# Altium PCB TT1-1B-BASIS.PcbDoc (continued)
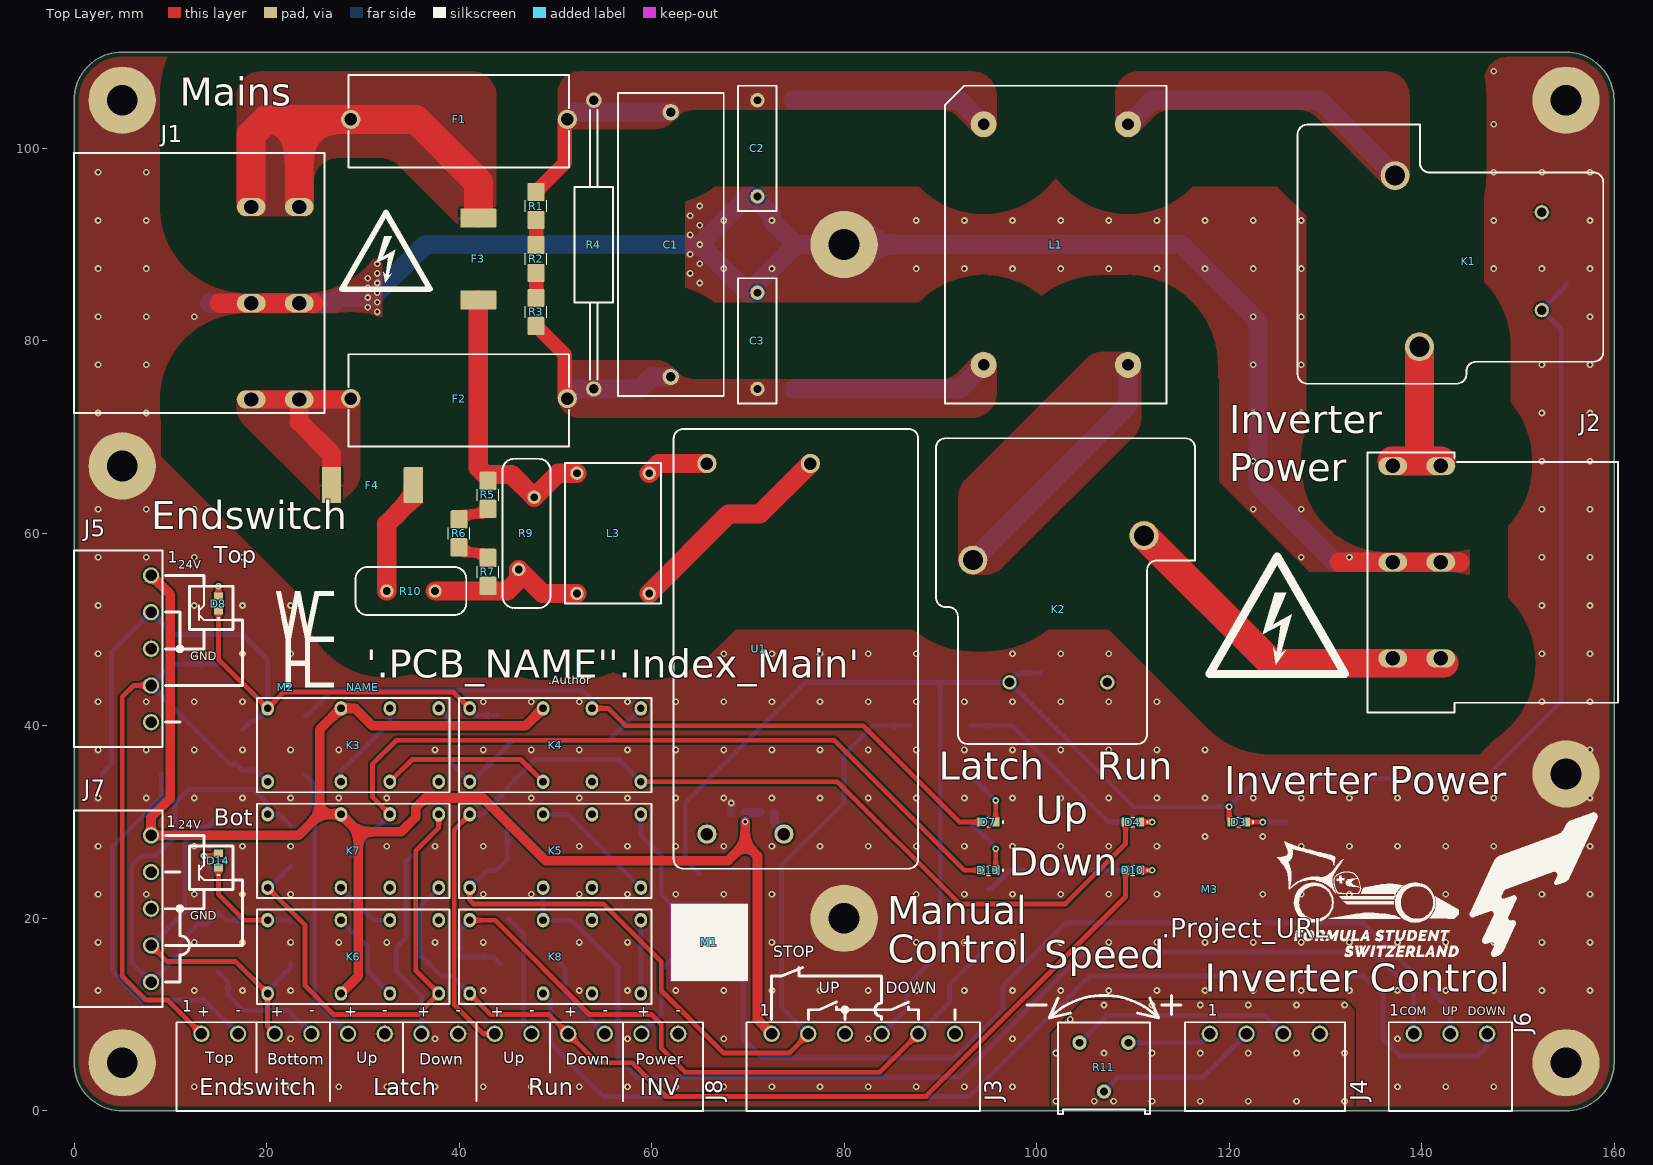
[diagram p0: Top Layer view]
## Part data (continued)
J3: "Phoenix contact MC 1,5/ 6-G-3,81", Manufacturer=Phoenix, Manufacturer Part Number 1=1803316, Supplier Part Number 1=277-1210-ND, HelpURL=https://www.phoenixcontact.com/en-us/products/pcb-header-mc-15-6-g-381-1803316?type=pdf, Manufacturer 1=Phoenix, Part Number=MC1.5/6-G-3.81, Supplier 1=Digi-Key
J4: "Phoenix contact MC 1,5/ 4-G-3,81", Manufacturer=Phoenix, Manufacturer Part Number 1=1803293, Supplier Part Number 1=277-1208-ND, HelpURL=https://www.phoenixcontact.com/en-us/products/pcb-header-mc-15-4-g-381-1803293?type=pdf, Manufacturer 1=Phoenix, Part Number=MC1.5/4-G-3.81, Supplier 1=Digi-Key
J5 J7: "Phoenix contact MC 1,5/ 5-G-3,81", Manufacturer=Phoenix, Manufacturer Part Number 1=1803303, Supplier Part Number 1=277-1209-ND, HelpURL=https://www.phoenixcontact.com/en-us/products/pcb-header-mc-15-5-g-381-1803303?type=pdf, Manufacturer 1=Phoenix, Part Number=MC1.5/5-G-3.81, Supplier 1=Digi-Key
J6: "Phoenix contact MC 1,5/ 3-G-3,81", Manufacturer=Phoenix, Manufacturer Part Number 1=1803280, Supplier Part Number 1=277-1207-ND, HelpURL=https://www.phoenixcontact.com/en-us/products/pcb-header-mc-15-3-g-381-1803280?type=pdf, Manufacturer 1=Phoenix, Part Number=MC1.5/3-G-3.81, Supplier 1=Digi-Key
J8: "Phoenix contact MC 1,5/ 14-G-3,81", Manufacturer=Phoenix, Manufacturer Part Number 1=1803390, Supplier Part Number 1=277-1218-ND, HelpURL=https://www.phoenixcontact.com/en-us/products/pcb-header-mc-1514-g-381-1803390?type=pdf, Manufacturer 1=Phoenix, Part Number=MC1.5/14-G-3.81, Supplier 1=Digi-Key
K1 K2: "Miniature Power Relay, SPST-NO, 24V Coil, 40A 30VDC 300VAC", Manufacturer=Zettler, Manufacturer 1="American Zettler", Manufacturer Part Number 1=AZ2150-1A-24DEF, Supplier Part Number 1=3385-AZ2150-1A-24DEF-ND, HelpURL=https://www.azettler.com/pdfs/az2150.pdf, Part Number=AZ2150-1A-24, Supplier 1=Digi-Key
K3 K4 K5 K6 K7 K8: "Subminiature DIP Relay, DPDT, 24V 98mW Coil, 2A 220VDC 250VAC", Manufacturer=Zettler, Manufacturer 1="American Zettler", Manufacturer Part Number 1=AZ822-2C-24DE, Supplier Part Number 1=3385-AZ822-2C-24DE-ND, HelpURL=https://www.azettler.com/pdfs/az822.pdf, Part Number=AZ822-2C-24, Supplier 1=Digi-Key
L1: "CMC 30mH 5A Würth CMBNC 7448050530", Absolute Value=0.03, Manufacturer=Würth, Manufacturer 1="Würth Elektronik", Manufacturer Part Number 1=7448050530, Package=CMBNC, Supplier Part Number 1=732-5596-ND, HelpURL=https://www.we-online.com/components/products/datasheet/7448050530.pdf, Part Number=30MH/THT/CMC, Supplier 1=Digi-Key
L2: "30R@100MHz 5A 0603 Ferrite", Absolute Value=1000, Manufacturer=GENERIC, Manufacturer 1="Laird-Signal Integrity Products", Manufacturer Part Number 1=HI0603R300R-10, Package=603, Supplier Part Number 1=240-HI0603R300R-10CT-ND, HelpURL=https://www.laird.com/document/datasheet/hi0603r300r-10-datasheet, Part Number=30R/0603/FERRITE, Supplier 1=Digi-Key
L3: "CMC 1mH 2A THT Schurter DFKH-14-0003", Manufacturer=SCHURTER, Manufacturer 1="SCHURTER Inc.", Manufacturer Part Number 1=DFKH-14-0003, Package=15X10.5mm, Supplier Part Number 1=486-3121-ND, HelpURL=https://www.schurter.com/en/datasheet/typ_DFKH.pdf, Part Number=1MH/THT/CMC, Supplier 1=Digi-Key
M2: library part "LOGO WHE 10MM", "WHE logo, size 10mm", Manufacturer=NONE, Part Number="LOGO WHE 10MM"
M3: library part "QR PROJ URL 10MM", "QR Code, Project URL, 10mm", Manufacturer=NONE, Part Number="QR PROJ URL 10MM"
R1 R2 R3 R5 R6 R7: "RES SM 1206 330K", Absolute Value=330000, Manufacturer=GENERIC, Manufacturer 1=YAGEO, Manufacturer Part Number 1=RC1206FR-07330KL, Package=1206, Supplier Part Number 1=311-330KFRCT-ND, HelpURL=https://www.yageo.com/upload/media/product/products/datasheet/rchip/PYu-RC_Group_51_RoHS_L_12.pdf, Part Number=330K/1206, Supplier 1=Digi-Key
R4: "RES TH 1W 0414 30MM 100K", Absolute Value=100000, Manufacturer=GENERIC, Manufacturer 1=Vishay, Manufacturer Part Number 1=MBE04140C1003FC100, Package=0414, Supplier Part Number 1=160-59-946, HelpURL=https://www.vishay.com/docs/28766/mbxsma.pdf, Part Number=100K/1W/0414/30MM, Supplier 1=Distrelec
R8 R12 R13 R14 R15 R16 R17 R18 R19 R20 R21 R22 R23 R24: "RES SM 2512 1K2", Absolute Value=1200, Manufacturer=GENERIC, Manufacturer 1=YAGEO, Manufacturer Part Number 1=RC2512FK-071K2L, Manufacturer Part Number 2=RC2512JK-071K2L, Package=2512, Supplier Part Number 1=13-RC2512FK-071K2LCT-ND, Eurocircuits GPN=GPR25121K2, HelpURL=https://www.yageo.com/upload/media/product/products/datasheet/rchip/PYu-RC_Group_51_RoHS_L_12.pdf, Manufacturer 2=YAGEO, Part Number=1K2/2512, Supplier 1=Digi-Key, Supplier 2=Digi-Key, Supplier Part Number 2=13-RC2512JK-071K2LCT-ND
R9: "VARISTOR 391V 6kA", Absolute Value=391, Manufacturer=GENERIC, Manufacturer 1="Panasonic Electronic Components", Package=7.5mm, Supplier Part Number 1=P7266-ND, HelpURL=https://industrial.panasonic.com/cdbs/www-data/pdf/AWA0000/AWA0000C1.pdf, Manufacturer Part Number 1=ERZ-V14D391, Part Number=ERZ-V14D391, Supplier 1=Digi-Key
R10: "RES NTC THT 5 25R", Absolute Value=25, Manufacturer=GENERIC, Manufacturer 1="EPCOS - TDK Electronics", Manufacturer Part Number 1=B57236S0250M000, Package=5mm, Supplier Part Number 1=495-3048-ND, HelpURL=https://product.tdk.com/system/files/dam/doc/product/protection/current/ntc-limiter/data_sheet/50/db/icl_16/s236.pdf, Part Number=25R/THT/NTC, Supplier 1=Digi-Key
R11: "RES POT 3386F 1K", Absolute Value=1000, Manufacturer=Bourns, Manufacturer 1="Bourns Inc.", Manufacturer Part Number 1=3386F-1-102TLF, Package=3386F, Supplier Part Number 1=3386F-1-102TLF-ND, HelpURL=https://www.bourns.com/docs/Product-Datasheets/3386.pdf, Part Number=1K/3386F, Supplier 1=Digi-Key
U1: "10W AC-DC PCB-Mount Green Power Module, 24V", Manufacturer 1="MEAN WELL USA Inc.", Manufacturer Part Number 1=IRM-10-24, Package=Module, Supplier Part Number 1=1866-3030-ND, HelpURL=https://www.meanwell-web.com/content/files/pdfs/productPdfs/MW/IRM-10/IRM-10-spec.pdf, Part Number=IRM10-24, Supplier 1=Digi-Key

## Free pads (board coordinates)
  round 7 hole 3.2: M(5,5) M(5,67) M(5,105) M(80,20) M(80,90) M(155,105) M(155,5) M(155,35)

## Via types
v1: diameter 0.7, hole 0.35, Top Layer to Bottom Layer, tented both sides, 355 vias

## Nets (pads, with @x,y where several pads share a name; then routed paths per layer and width w, separated by ;. In a path a pad name is that pad's centre, name@x,y a point inside that pad or via, vN(x,y) a via of type N, cw(c..) or ccw(c..) an arc to the next point about the centre after c; other vN are vias at no path point)
+24V: C4.1 J3.1 J5.1 J7.1 K3.6 K4.6 K6.3 K7.6 L2.2 | length 175.2
  Top Layer w1: J5.1 10,53.62 10,32.5 8,30.5 J7.1 23.326,28.62 25.516,30.81 ; K6.3 29.54,14 29.54,29 ; K4.6 46.92,40 31,40 29.19,41.81 K3.6 25.516,39.596 25.516,30.81 ; v1(69.725,30.025) 69.725,27.775 ; J3.1 71,9.475 71,26.5 69.725,27.775 ; 25.516,30.81 K7.6 29.54,29 ; 29.54,29 34,29 35.5,30.5 35.5,31.5 36.5,32.5 42.5,32.5 49,26 67.95,26 69.725,27.775
  Bottom Layer w0.9: v1(69.725,30.025) C4.1 L2.2
+24V_SMPS: L2.1 U1.3 | length 2.7
  Bottom Layer w0.9: L2.1 72.75,30.975 72.75,30.048 73.75,29.048 U1.3
BUTTON_DOWN/: D11.2 J3.5 K8.2 R19.2 R22.1 | length 77.1
  Top Layer w0.5: K8.2 43.74,19.81 53.55,10 60,10 61,9 61,6.5 63.5,4 83.715,4 J3.5
  Bottom Layer w0.5: K8.2 40.1,18.8 D11.2 40.11,15.99 43.61,15.99 R22.1 ; J3.5 90.95,11.235 90.95,13.1 94.75,16.9 R19.2
BUTTON_UP/: D5.2 J3.2 K5.1 R13.2 R21.1 | length 95
  Top Layer w0.5: K5.1 41.11,21.89 41.5,21.5 55,21.5 61,15.5 61,12.5 67.5,6 74.285,6 J3.2
  Bottom Layer w0.5: K5.1 42.92,25 43.9,25 R21.1 D5.2 ; J3.2 73.5,10.785 73.5,25.5 80,32 80,37 83,40 R13.2
CON_BOTTOM: D12.2 D14.1 D15.2 J7.5 K6.2 K7.2 R16.1 | length 64.5
  Top Layer w0.5: D14.1 15,22.5 17.69,19.81 K6.2
  Bottom Layer w0.5: D12.2 22.29,19.81 K6.2 15.79,19.81 R16.1 13.76,19.36 12.86,19.36 11,17.5 11,16.38 J7.5 6,15.38 6,25.5 7,26.5 8.5,26.5 10.5,28.5 10.5,32 11.9,33.4 18.6,33.4 20.11,31.89 K7.2 21.29,30.81 D15.2
CON_TOP: D6.2 D8.1 D9.2 J5.2 K3.2 K4.2 R15.1 | length 79.5
  Top Layer w0.5: D8.1 15,46.92 K3.2 21.8,43.5 39.42,43.5 K4.2
  Bottom Layer w0.5: R15.1 3.9,36 3.9,47.71 J5.2 10.31,49.5 17.5,49.5 20.11,46.89 K3.2 18.8,40.5 18.4,40.5 D6.2 ; K4.2 41.82,41.1 D9.2
CTRL_COM: J6.1 K5.3 K8.6 | length 117.6
  Bottom Layer w0.5: K5.3 K8.6 51.69,19.81 56.5,15 56.5,5.5 58.5,3.5 92,3.5 105,16.5 135,16.5 139.19,12.31 J6.1
CTRL_DOWN: J6.3 K8.3 | length 118.1
  Bottom Layer w0.5: K8.3 49.5,11.42 49.5,7 55,1.5 93,1.5 105.5,14 134,14 136,12 136,7.5 137.8,5.7 145.9,5.7 146.81,6.61 J6.3
CTRL_UP: J6.2 K5.8 | length 118.5
  Bottom Layer w0.5: K5.8 58.89,28.61 61,26.5 61,22.5 62,21.5 67,21.5 69.5,19 69.5,7.5 71.5,5.5 91.5,5.5 96.5,10.5 96.5,13 103,19.5 134,19.5 143,10.5 J6.2
EMERGENCY_STOP/: D1.1 D2.1 D3.2 J3.4 K1.1 K2.1 R23.1 | length 203.7
  Top Layer w0.5: v1(120,31.6) 120,30.238 D3.2
  Bottom Layer w0.5: R23.1 63.5,26.1 63.5,32 76.015,44.515 90,44.515 ; J3.4 86.5,10.595 86.5,13 90,16.5 90,44.515 ; K2.1@97.207,44.5 110.107,31.6 v1(120,31.6) 122.9,34.5 146.5,34.5 154.5,42.5 154.5,81.177 K1.1@152.5,83.177 ; D1.1 98.177,45.5 K2.1 90,44.515 ; K1.1 155,85.707 D2.1
ENDSWITCH_BOTTOM: D12.1 J7.4 J8.3 K6.1 R18.1 | length 39.6
  Top Layer w0.5: J7.4 9.69,15.5 16.8,15.5 K6.1 20.11,8.745 J8.3
  Bottom Layer w0.5: J7.4 11.5,20.69 11.5,27.87 13.13,29.5 13.9,29.5 R18.1 ; K6.1 20.11,12.482 22.5,14.872 D12.1
ENDSWITCH_TOP: D6.1 J5.4 J8.1 K3.1 R12.1 | length 67.4
  Top Layer w0.5: J5.4 6.19,44.19 5,43 5,14 7.5,11.5 9.735,11.5 J8.1
  Bottom Layer w0.5: R12.1 10.21,46.4 J5.4 16.19,36 16.9,36 D6.1 18.9,35.4 K3.1
GND: C2.2 C3.2 C4.2 D1.2 D2.2 J1.PE J2.PE J3.3 J5.3 J7.3 J8.6 J8.8 J8.14 K1.2 K2.2 pad.M R8.2 R14.2 R24.2 U1.4 | length 198.7
  Top Layer w2: 15.1,83.9 23.4,83.9 24.9,83.9 ; 131.5,57 137,57 144,57
  Bottom Layer w0.9: C4.2 v1(68.275,31.975)
  Bottom Layer w2: 14.1,83.9 18.4,83.9 23.4,83.9 26.9,83.9 27.5,84.5 v1(30.5,84.5) 31,84.5 v1(31.5,85) 36.5,90 61,90 62,90 v1(65,90) ; C3.2@70.5,85.5 v1(72.5,87.5) 75,90 ; C2.2@70.5,95 72.5,93 v1(72.5,92.5) 75,90 ; C3.2 70,85 v1(67.5,87.5) v1(65,90) ; C2.2 70,95 v1(67.5,92.5) v1(65,90) ; 144,57 142,57 137,57 132.5,57 131,57 123,65 123,67.5 123,72.5 123,77.5 123,82 v1(117.5,87.5) 115,90 80,90 75,90
  other v1: 12.5,2.5 17.5,2.5 22.5,2.5 27.5,2.5 32.5,2.5 37.5,2.5 42.5,2.5 47.5,2.5 52.5,2.5 57.5,2.5 62.5,2.5 67.5,2.5 72.5,2.5 77.5,2.5 82.5,2.5 87.5,2.5 92.5,2.5 97.5,2.5 137.5,2.5 142.5,2.5 147.5,2.5 22.5,7.5 37.5,7.5 57.5,7.5 67.5,7.5 82.5,7.5 97.5,7.5 137.5,7.5 2.5,12.5 12.5,12.5 17.5,12.5 22.5,12.5 42.5,12.5 52.5,12.5 57.5,12.5 62.5,12.5 67.5,12.5 72.5,12.5 77.5,12.5 82.5,12.5 87.5,12.5 92.5,12.5 97.5,12.5 102.5,12.5 107.5,12.5 112.5,12.5 117.5,12.5 122.5,12.5 127.5,12.5 132.5,12.5 137.5,12.5 142.5,12.5 147.5,12.5 152.5,12.5 157.5,12.5 2.5,17.5 12.5,17.5 17.5,17.5 22.5,17.5 27.5,17.5 32.5,17.5 37.5,17.5 42.5,17.5 52.5,17.5 57.5,17.5 72.5,17.5 87.5,17.5 92.5,17.5 97.5,17.5 102.5,17.5 107.5,17.5 112.5,17.5 117.5,17.5 122.5,17.5 127.5,17.5 132.5,17.5 137.5,17.5 142.5,17.5 147.5,17.5 152.5,17.5 157.5,17.5 2.5,22.5 7.5,22.5 12.5,22.5 17.5,22.5 22.5,22.5 42.5,22.5 47.5,22.5 52.5,22.5 57.5,22.5 62.5,22.5 67.5,22.5 72.5,22.5 87.5,22.5 92.5,22.5 97.5,22.5 102.5,22.5 107.5,22.5 112.5,22.5 123.5,22.5 127.5,22.5 132.5,22.5 137.5,22.5 142.5,22.5 147.5,22.5 152.5,22.5 157.5,22.5 2.5,27.5 12.5,27.5 17.5,27.5 22.5,27.5 32.5,27.5 37.5,27.5 42.5,27.5 52.5,27.5 57.5,27.5 62.5,27.5 67.5,27.5 72.5,27.5 77.5,27.5 82.5,27.5 87.5,27.5 92.5,27.5 97.5,27.5 102.5,27.5 107.5,27.5 112.5,27.5 127.5,27.5 132.5,27.5 137.5,27.5 142.5,27.5 147.5,27.5 152.5,27.5 157.5,27.5 117.5,28.5 123.5,28.5 2.5,32.5 7.5,32.5 12.5,32.5 17.5,32.5 22.5,32.5 27.5,32.5 32.5,32.5 47.5,32.5 52.5,32.5 57.5,32.5 62.5,32.5 67.5,32.5 72.5,32.5 77.5,32.5 82.5,32.5 87.5,32.5 92.5,32.5 97.5,32.5 102.5,32.5 107.5,32.5 112.5,32.5 117.5,32.5 122.5,32.5 127.5,32.5 132.5,32.5 137.5,32.5 142.5,32.5 147.5,32.5 157.5,32.5 2.5,37.5 7.5,37.5 12.5,37.5 17.5,37.5 22.5,37.5 27.5,37.5 37.5,37.5 42.5,37.5 47.5,37.5 52.5,37.5 57.5,37.5 62.5,37.5 67.5,37.5 72.5,37.5 77.5,37.5 82.5,37.5 87.5,37.5 92.5,37.5 97.5,37.5 102.5,37.5 107.5,37.5 112.5,37.5 117.5,37.5 157.5,37.5 2.5,42.5 7.5,42.5 12.5,42.5 17.5,42.5 42.5,42.5 47.5,42.5 52.5,42.5 57.5,42.5 62.5,42.5 67.5,42.5 72.5,42.5 77.5,42.5 82.5,42.5 87.5,42.5 92.5,42.5 97.5,42.5 102.5,42.5 107.5,42.5 112.5,42.5 152.5,42.5 157.5,42.5 2.5,47.5 12.5,47.5 17.5,47.5 22.5,47.5 67.5,47.5 72.5,47.5 77.5,47.5 82.5,47.5 87.5,47.5 97.5,47.5 102.5,47.5 107.5,47.5 152.5,47.5 157.5,47.5 2.5,52.5 12.5,52.5 17.5,52.5 22.5,52.5 152.5,52.5 157.5,52.5 2.5,57.5 7.5,57.5 12.5,57.5 17.5,57.5 127.5,57.5 132.5,57.5 152.5,57.5 157.5,57.5 2.5,62.5 7.5,62.5 12.5,62.5 122.5,62.5 127.5,62.5 152.5,62.5 157.5,62.5 122.5,67.5 152.5,67.5 157.5,67.5 2.5,72.5 7.5,72.5 122.5,72.5 127.5,72.5 152.5,72.5 157.5,72.5 2.5,77.5 7.5,77.5 122.5,77.5 127.5,77.5 152.5,77.5 157.5,77.5 2.5,82.5 7.5,82.5 12.5,82.5 122.5,82.5 127.5,82.5 157.5,82.5 31.5,83 30.5,83.5 31.5,84 30.5,85.5 31.5,86 65,86 30.5,86.5 31.5,87 64,87 2.5,87.5 7.5,87.5 87.5,87.5 92.5,87.5 97.5,87.5 102.5,87.5 107.5,87.5 112.5,87.5 122.5,87.5 127.5,87.5 147.5,87.5 152.5,87.5 157.5,87.5 31.5,88 65,88 64,89 64,91 65,92 2.5,92.5 7.5,92.5 87.5,92.5 92.5,92.5 97.5,92.5 102.5,92.5 107.5,92.5 112.5,92.5 117.5,92.5 122.5,92.5 127.5,92.5 147.5,92.5 157.5,92.5 64,93 65,94 2.5,97.5 7.5,97.5 147.5,97.5 152.5,97.5 157.5,97.5 147.5,102.5 147.5,108
L: F1.1 F3.1 J1.L | length 72
  Top Layer w3: J1.L@18.4,94.5 18.4,101.4 20,103 23.4,103 ; J1.L@23.4,94.5 23.4,103 ; F3.1@42,93.25 42,96.5 35.5,103 F1.1 23.4,103
  Bottom Layer w3: J1.L@18.4,94.5 18.4,101.4 20,103 23.4,103 ; J1.L@23.4,94.5 23.4,103 ; F1.1 23.4,103
L_INV: J2.L K1.3 | length 33.9
  Top Layer w3: J2.L@136.92,67.5 J2.L@142,67.5 ; 139.785,67.5 K1.3
  Bottom Layer w3: J2.L@136.92,67.5 J2.L@142,67.5 ; 139.785,67.5 K1.3
L_INV_CMC: K1.4 L1.3 | length 32
  Bottom Layer w2: L1.3 112,105 129.407,105 K1.4
L_INV_F: C1.1 C2.1 F1.2 L1.1 R1.1 R4.1 | length 40.7
  Top Layer w1.5: R1.1 48,95.5 51,98.5 51,102.75 F1.2
  Bottom Layer w2: F1.2 52,103.75 C1.1 ; 74.75,105 92,105 L1.1
L_SMPS: L3.3 U1.1 | length 12.8
  Top Layer w2: L3.3 60.75,67.25 U1.1
  Bottom Layer w2: L3.3 60.75,67.25 U1.1
L_SMPS_F: F3.2 L3.1 R5.1 R9.1 | length 29.7
  Top Layer w2: F3.2 42,66.8 42.4,66.4 R5.1@42.7,66.1 ; R5.1@43,66.1 45.45,66.1 R9.1 50.3,66.25 L3.1
LED_LATCH_BOTTOM: D13.2 K7.7 R20.1 | length 81.7
  Top Layer w0.5: K7.7 31,32.62 31,36 33.5,38.5 79,38.5 92.5,25 D13.2
  Bottom Layer w0.5: R20.1 28.9,26.9 K7.7
LED_LATCH_TOP: D7.2 K4.7 R17.1 | length 77.5
  Top Layer w0.5: K4.7 55.49,41.81 57.3,40 82,40 92,30 D7.2
  Bottom Layer w0.5: R17.1 24.25,41.1 26.84,43.69 52.81,43.69 53.81,42.69 K4.7
LN_1: R1.2 R2.1 | length 2.6
  Top Layer w1.5: R2.1 R1.2
LN_2: R2.2 R3.1 | length 2.6
  Top Layer w1.5: R3.1 R2.2
LN_SMPS_1: R5.2 R6.2 | length 3.5
  Top Layer w1: R6.2 40.55,62 42.45,62 R5.2
LN_SMPS_2: R6.1 R7.1 | length 3.5
  Top Layer w1: R6.1 40.55,58 42.45,58 R7.1
N: F2.1 F4.1 J1.N | length 31
  Top Layer w1.9: J1.N@18.4,73.9 J1.N@23.4,73.9 ; 23.4,71.6 J1.N@23.4,73.9 ; F2.1@28.75,73.9 J1.N@23.4,73.9
  Top Layer w2: 23.4,71.6 26.75,68.25 F4.1
  Bottom Layer w2: J1.N@18.4,73.9 F2.1@28.75,73.9
N_INV: J2.N K2.4 | length 78.3
  Top Layer w3: K2.4 124.417,46.5 J2.N@142.344,46.5
  Bottom Layer w2: J2.N@137,47 J2.N@142,47
  Bottom Layer w3: K2.4 124.417,46.5 J2.N@142.344,46.5
N_INV_CMC: K2.3 L1.4 | length 27
  Bottom Layer w2: K2.3 109.5,73.333 L1.4
N_INV_F: C1.2 C3.1 F2.2 L1.2 R3.2 R4.2 | length 41.4
  Top Layer w1.5: R3.2 51,78.55 51,74.25 F2.2
  Bottom Layer w2: F2.2 52.25,75 R4.2 58.75,75 60,76.25 C1.2 ; 74.75,75 92,75 L1.2
N_SMPS: L3.4 U1.2 | length 44.7
  Top Layer w2: L3.4 68,62 71.25,62 U1.2
  Bottom Layer w2: L3.4 68,62 71.25,62 U1.2
N_SMPS_F: F4.2 R10.1 | length 12.1
  Top Layer w2: R10.1 32.5,61 35.25,63.75 F4.2
N_SMPS_R: L3.2 R7.2 R9.2 R10.2 | length 17.3
  Top Layer w2: R10.2 43,54 45,54 46.2,55.2 R9.2 46.725,55.725 48.7,53.75 L3.2
NetD3_1: D3.1 R8.1 | length 4.1
  Top Layer w0.5: D3.1 v1(123.5,30)
  Bottom Layer w0.5: v1(123.5,30) R8.1
NetD4_1: D4.1 R13.1 | length 24.3
  Top Layer w0.5: D4.1 v1(112,30)
  Bottom Layer w0.5: R13.1 97.5,40 107.5,30 v1(112,30)
NetD7_1: D7.1 R14.1 | length 6.1
  Top Layer w0.5: D7.1 v1(95.762,32.238)
  Bottom Layer w0.5: R14.1 93.1,34.9 v1(95.762,32.238)
NetD8_2: D8.2 R12.2 | length 2.9
  Top Layer w0.5: D8.2 v1(15,54.5)
  Bottom Layer w0.5: R12.2 v1(15,54.5)
NetD9_1: D9.1 K3.8 K4.1 K4.8 | length 29.9
  Bottom Layer w0.5: K3.8 39,40.7 39,36.3 K4.1 41.29,34.19 D9.1 45.6,38.5 55.58,38.5 K4.8
NetD10_1: D10.1 R19.1 | length 19
  Top Layer w0.5: D10.1 v1(112,25)
  Bottom Layer w0.5: R19.1 95.282,23.1 97.182,25 v1(112,25)
NetD13_1: D13.1 R24.1 | length 6.1
  Top Layer w0.5: D13.1 v1(95.762,27.238)
  Bottom Layer w0.5: R24.1 95.762,27.338 v1(95.762,27.238)
NetD14_2: D14.2 R18.2 | length 4.3
  Top Layer w0.5: v1(13.5,26.5) 14.738,26.5 D14.2
  Bottom Layer w0.5: v1(13.5,26.5) 13.5,25.9 R18.2
NetD15_1: D15.1 K6.5 K7.1 K7.8 | length 51.7
  Top Layer w0.5: K7.1 24,19.3 24,13 27,10 35.7,10 K6.5 35.5,14.58 35.5,27 37.89,29.39 K7.8
  Bottom Layer w0.5: K7.1 20.29,23.19 D15.1
NetJ4_1: J4.1 R11.2 | length 8.8
  Bottom Layer w0.5: R11.2 117.083,7.083 J4.1
NetJ4_2: J4.2 R11.3 | length 17.3
  Bottom Layer w0.5: R11.3 108.497,3.5 117.31,3.5 J4.2
NetJ4_3: J4.3 R11.1 | length 23.1
  Bottom Layer w0.5: R11.1 107.277,9.9 123.72,9.9 J4.3
NetJ8_2: J8.2 R15.2 | length 38.3
  Bottom Layer w0.5: R15.2 9.1,32.6 4,27.5 4,14.5 7,11.5 13.545,11.5 J8.2
NetJ8_4: J8.4 R16.2 | length 13.1
  Bottom Layer w0.5: R16.2 16,13.4 16,12 17.549,10.451 22.214,10.451 J8.4
NetJ8_5: J8.5 R17.2 | length 28.8
  Bottom Layer w0.5: R17.2 25,33.9 25,11.475 J8.5
NetJ8_7: J8.7 R20.2 | length 20.2
  Bottom Layer w0.5: R20.2 34.5,25.9 34.5,18 33.5,17 33.5,14.5 36.095,11.905 J8.7
NetJ8_10: J8.10 R21.2 | length 13.1
  Bottom Layer w0.5: R21.2 45.205,19.9 46.7,18.405 46.7,8.825 J8.10
NetJ8_12: J8.12 R22.2 | length 9.2
  Bottom Layer w0.5: R22.2 51,14.8 51,12.145 J8.12
NetJ8_13: J8.13 R23.2 | length 13.1
  Bottom Layer w0.5: J8.13 61,10.045 61,14.65 64.75,18.4 R23.2
NetK3_3: K3.3 K3.7 | length 9.7
  Bottom Layer w0.5: K3.3 27.73,35.23 32.81,40.31 K3.7
NetK3_4: K3.4 K4.3 | length 17.8
  Top Layer w0.5: K3.4 35.12,36.5 46.42,36.5 K4.3
NetK5_5: K5.5 K5.6 | length 13.3
  Bottom Layer w0.5: K5.6 51.27,30.81 K5.5
NetK6_4: K6.4 K6.6 | length 9.7
  Bottom Layer w0.5: K6.6 30.5,17.04 30.5,14.5 K6.4
NetK6_7: K6.7 K7.3 | length 6.5
  Bottom Layer w0.5: K7.3 31.11,19.81 K6.7
NetK8_5: K8.5 K8.8 | length 7.6
  Bottom Layer w0.5: K8.5 K8.8
SHIELD: J4.4
  other v1: 102,1 106,1 108,1 112,1 117,1 122,1 127,1 132,1 102,6 107,6 112,6 117,6 122,6 127,6 132,6 103.5,9.5 107,11 112,11 117,11 122,11 127,11 132,11
STOP_BOTTOM/: D10.2 D11.1 J8.11 K7.5 K8.1 | length 98.7
  Top Layer w0.5: K8.1 43.3,10 49.335,10 J8.11 54.335,5 58,5 61.5,1.5 88.5,1.5 109.238,22.238 D10.2
  Bottom Layer w0.5: K7.5 35.9,21.2 D11.1 36.15,16 38.15,14 39.3,14 K8.1
STOP_TOP/: D4.2 D5.1 J8.9 K4.5 K5.2 | length 107.6
  Top Layer w0.5: K5.2 39.5,29.2 39.5,11 42.5,8 J8.9 ; K4.5 79.31,34.19 92,21.5 103,21.5 109.238,27.738 D4.2
  Bottom Layer w0.5: K5.2 42.46,30.81 45,33.35 D5.1 47.9,36.5 56.58,36.5 K4.5
pads on no net: J3.6 J5.5 J7.2 K3.5 K4.4 K5.4 K5.7 K6.8 K7.4 K8.4 K8.7

## Polygon pours and split planes (outlines as drawn)
GND on Bottom Layer "GND_L02_P165" (solid, remove dead copper, pour order 165): 25,97 14,97 10,101 10,109.5 5,109.5 ccw(c5,105) 0.5,105 0.5,5 ccw(c5,5) 5,0.5 155,0.5 ccw(c155,5) 159.5,5 159.5,105 ccw(c155,105) 155,109.5 149,109.5 ccw(c149,107) 146.5,107 146.5,81.5 149,79 149,40 146,37 124,37 111,50 67,50 64,47 30,47 9,68 9,74 18,83 25,83
N_INV_F on Bottom Layer "N_INV_F_L02_P161" (solid, remove dead copper, pour order 161): 52.5,72 cw(c52.5,74.25) 50.25,74.25 50.25,77 cw(c51.25,77) 51.25,78 60.4,78 cw(c60.4,75.46) 62.196,77.256 62.708,76.744 ccw(c64.504,78.54) 64.504,76 90.039,76 ccw(c90.039,78.54) 91.835,76.744 93.545,78.455 cw(c94.5,77.5) 94.5,78.85 cw(c94.5,77.5) 95.85,77.5 95.85,74.54 cw(c93.31,74.54) 93.31,72 92,72
L_INV_F on Bottom Layer "L_INV_F_L02_P160" (solid, remove dead copper, pour order 160): 52.5,108 ccw(c52.5,105.75) 50.25,105.75 50.25,103 ccw(c51.25,103) 51.25,102 60.4,102 ccw(c60.4,104.54) 62.196,102.744 62.708,103.256 cw(c64.504,101.46) 64.504,104 90.039,104 cw(c90.039,101.46) 91.835,103.256 93.545,101.545 ccw(c94.5,102.5) 94.5,101.15 ccw(c94.5,102.5) 95.85,102.5 95.85,105.46 ccw(c93.31,105.46) 93.31,108 92,108
L on Bottom Layer "L_L02_P158" (solid, remove dead copper, pour order 158): 16.9,93.9 ccw(c17.85,93.9) 17.85,92.95 23.95,92.95 ccw(c23.95,93.9) 24.9,93.9 24.9,95.848 cw(c27.44,95.848) 25.644,97.644 30.146,102.146 ccw(c29.293,103) 30.5,103 30.5,105.46 ccw(c27.96,105.46) 27.96,108 19.44,108 ccw(c19.44,105.46) 16.9,105.46
N on Bottom Layer "N_L02_P157" (solid, remove dead copper, pour order 157): 17.85,74.85 ccw(c17.85,73.9) 16.9,73.9 16.9,73.086 ccw(c19.44,73.086) 17.644,71.29 25.779,63.154 ccw(c25.85,63.225) 25.85,63.125 27.65,63.125 ccw(c27.65,63.225) 27.721,63.154 29.006,64.44 ccw(c27.21,66.236) 29.75,66.236 29.75,74 ccw(c28.9,74) 28.9,74.85
GND on Bottom Layer "GND_L02_P164" (solid, remove dead copper, pour order 164): 16,97 16,83 112,83 119,76 119,63 129,53 144,53 145,54 145,60 144,61 137,61 128,70 128,94.5 125.5,97
N_INV_CMC on Bottom Layer "N_INV_CMC_L02_P162" (solid, remove dead copper, pour order 162): 109.5,78.85 106.902,78.85 ccw(c106.902,76.31) 105.106,78.106 92.626,65.626 ccw(c94.422,63.83) 91.882,63.83 91.882,57.215 ccw(c93.382,57.215) 93.382,55.715 94.663,55.715 ccw(c94.663,58.255) 96.459,56.459 110.106,70.106 ccw(c108.31,71.902) 110.85,71.902 110.85,77.5 ccw(c109.5,77.5)
SHIELD on Bottom Layer "SHIELD_L02_P163" (solid, remove dead copper, pour order 163): 101.5,0.5 101.5,8 105,11.5 121,11.5 132,11.5 133,10.5 133,0.5
L_INV_CMC on Bottom Layer "L_INV_CMC_L02_P159" (solid, remove dead copper, pour order 159): 109.5,101.15 cw(c109.5,102.5) 108.15,102.5 108.15,105.531 cw(c110.619,105.531) 110.619,108 136.205,108 cw(c136.205,105.46) 138.745,105.46 138.745,97.162 cw(c137.245,97.162) 137.245,95.662 cw(c137.245,97.162) 136.184,96.101 129.03,103.256 ccw(c127.234,101.46) 127.234,104 113.961,104 ccw(c113.961,101.46) 112.165,103.256 110.455,101.545 cw(c109.5,102.5)
GND on Top Layer "GND_L01_P156" (solid, remove dead copper, pour order 156): 32,88 31.5,88.5 17.5,88.5 10,96 10,109.5 5,109.5 ccw(c5,105) 0.5,105 0.5,5 ccw(c5,5) 5,0.5 155,0.5 ccw(c155,5) 159.5,5 159.5,105 ccw(c155,105) 155,109.5 149,109.5 ccw(c149,107) 146.5,107 146.5,81.5 149,79 149,40 146,37 124,37 111,50 67,50 64,47 30,47 9,68 9,75 15,81 32,81
L on Top Layer "L_L01_P154" (solid, remove dead copper, pour order 154): 16.9,93.9 ccw(c17.85,93.9) 17.85,92.95 23.95,92.95 ccw(c23.95,93.9) 24.9,93.9 24.9,96.46 cw(c27.44,96.46) 27.44,99 31.881,99 cw(c31.881,96.46) 33.678,98.256 40.154,91.779 ccw(c40.225,91.85) 40.225,91.75 43.775,91.75 ccw(c43.775,91.85) 43.875,91.85 43.875,105.46 ccw(c41.335,105.46) 41.335,108 19.44,108 ccw(c19.44,105.46) 16.9,105.46
N on Top Layer "N_L01_P148" (solid, remove dead copper, pour order 148): 17.85,74.85 ccw(c17.85,73.9) 16.9,73.9 16.9,73.086 ccw(c19.44,73.086) 17.644,71.29 25.779,63.154 ccw(c25.85,63.225) 25.85,63.125 27.65,63.125 ccw(c27.65,63.225) 27.721,63.154 29.006,64.44 ccw(c27.21,66.236) 29.75,66.236 29.75,74 ccw(c28.9,74) 28.9,74.85
N_INV_F on Top Layer "N_INV_F_L01_P151" (solid, remove dead copper, pour order 151): 52.5,72 cw(c52.5,74.25) 50.25,74.25 50.25,77 cw(c51.25,77) 51.25,78 60.4,78 cw(c60.4,75.46) 62.196,77.256 62.708,76.744 ccw(c64.504,78.54) 64.504,76 90.039,76 ccw(c90.039,78.54) 91.835,76.744 93.545,78.455 cw(c94.5,77.5) 94.5,78.85 cw(c94.5,77.5) 95.85,77.5 95.85,74.54 cw(c93.31,74.54) 93.31,72 92,72
L_INV_F on Top Layer "L_INV_F_L01_P150" (solid, remove dead copper, pour order 150): 52.5,108 ccw(c52.5,105.75) 50.25,105.75 50.25,103 ccw(c51.25,103) 51.25,102 60.4,102 ccw(c60.4,104.54) 62.196,102.744 62.708,103.256 cw(c64.504,101.46) 64.504,104 90.039,104 cw(c90.039,101.46) 91.835,103.256 93.545,101.545 ccw(c94.5,102.5) 94.5,101.15 ccw(c94.5,102.5) 95.85,102.5 95.85,105.46 ccw(c93.31,105.46) 93.31,108 92,108
GND on Top Layer "GND_L01_P155" (solid, remove dead copper, pour order 155): 63.5,97 63.5,83 112,83 119,76 119,63 129,53 144,53 145,54 145,60 144,61 137,61 128,70 128,94.5 125.5,97
N_INV_CMC on Top Layer "N_INV_CMC_L01_P152" (solid, remove dead copper, pour order 152): 109.5,78.85 106.902,78.85 ccw(c106.902,76.31) 105.106,78.106 92.626,65.626 ccw(c94.422,63.83) 91.882,63.83 91.882,57.215 ccw(c93.382,57.215) 93.382,55.715 94.663,55.715 ccw(c94.663,58.255) 96.459,56.459 110.106,70.106 ccw(c108.31,71.902) 110.85,71.902 110.85,77.5 ccw(c109.5,77.5)
L_INV_CMC on Top Layer "L_INV_CMC_L01_P149" (solid, remove dead copper, pour order 149): 109.5,101.15 cw(c109.5,102.5) 108.15,102.5 108.15,105.531 cw(c110.619,105.531) 110.619,108 136.205,108 cw(c136.205,105.46) 138.745,105.46 138.745,97.162 cw(c137.245,97.162) 137.245,95.662 cw(c137.245,97.162) 136.184,96.101 129.03,103.256 ccw(c127.234,101.46) 127.234,104 113.961,104 ccw(c113.961,101.46) 112.165,103.256 110.455,101.545 cw(c109.5,102.5)
SHIELD on Top Layer "SHIELD_L01_P153" (solid, remove dead copper, pour order 153): 101.5,0.5 101.5,8 105,11.5 121,11.5 132,11.5 133,10.5 133,0.5

## Silkscreen, mask and mechanical layers (free items; w line width, h text height)
Top Overlay:
  drawing of 119 lines, arcs and shapes, not listed
  text "Mains" at 11,103.423 h5
  text "Inverter" at 120,69.423 h5
  text "Power" at 120,64.423 h5
  text "Endswitch" at 8,59.423 h5
  text "Top" at 14.5,56.305 h3
  text "24V" at 10.83,56.018 h1.5
  text "GND" at 12.08,46.519 h1.5
  text ".Author" at 49.275,44.015 h1.5
  text "Latch" at 89.849,33.423 h5
  text "Run" at 106.226,33.423 h5
  text "Inverter Power" at 119.5,31.923 h5
  text "Bot" at 14.5,29.054 h3
  text "24V" at 10.83,29.018 h1.5
  text "Up" at 99.903,28.842 h5
  text "Down" at 97.108,23.423 h5
  text "GND" at 12.08,19.519 h1.5
  text "Manual" at 84.489,18.423 h5
  text "STOP" at 72.645,15.522 h2
  text "Control" at 84.558,14.398 h5
  text "Speed" at 100.8,13.815 h5
  text "UP" at 77.366,11.822 h2
  text "DOWN" at 84.309,11.822 h2
  text "Inverter Control" at 117.454,11.398 h5
  text "COM" at 137.708,9.619 h1.5
  text "UP" at 142.15,9.628 h1.5
  text "DOWN" at 144.792,9.619 h1.5
  text "-" at 16.803,9.536 h2
  text "-" at 24.423,9.536 h2
  text "-" at 32.043,9.536 h2
  text "-" at 39.663,9.536 h2
  text "-" at 47.283,9.536 h2
  text "-" at 54.903,9.536 h2
  text "-" at 62.523,9.536 h2
  text "+" at 12.813,9.37 h2
  text "+" at 20.433,9.37 h2
  text "+" at 28.053,9.37 h2
  text "+" at 35.673,9.37 h2
  text "+" at 43.293,9.37 h2
  text "+" at 50.913,9.37 h2
  text "+" at 58.533,9.37 h2
  text "Top" at 13.655,4.537 h2
  text "Up" at 29.341,4.537 h2
  text "Up" at 44.581,4.537 h2
  text "Bottom" at 20.05,4.369 h2
  text "Down" at 35.843,4.369 h2
  text "Down" at 51.083,4.369 h2
  text "Power" at 58.381,4.369 h2
  text "Endswitch" at 13.033,1.054 h3
  text "Latch" at 31.1,1.054 h3
  text "Run" at 47.166,1.054 h3
  text "INV" at 58.758,1.039 h3
Bottom Overlay:
  region: 100.687,53.679 ccw(c99.967,53.729) 100.683,53.82 ccw(c99.961,53.728) 100.654,53.952 ccw(c99.953,53.725) 100.62,54.038 ccw(c99.947,53.723) 100.59,54.096 87.634,76.537 ccw(c86.991,76.155) 87.385,76.791 ccw(c86.993,76.16) 87.29,76.841 ccw(c86.996,76.167) 87.217,76.869 ccw(c86.998,76.174) 87.142,76.888 ccw(c87,76.183) 87,76.902 87,74.618 98.682,54.464 75.309,54.464 86.995,74.618 86.999,76.902 ccw(c86.999,76.17) 86.403,76.595 ccw(c87.005,76.166) 86.365,76.537 73.41,54.096 ccw(c74.022,53.733) 73.342,53.94 ccw(c74.025,53.733) 73.313,53.782 ccw(c74.033,53.732) 73.317,53.641 ccw(c74.039,53.733) 73.346,53.509 ccw(c74.046,53.735) 73.38,53.422 ccw(c74.051,53.737) 73.41,53.365 ccw(c74.054,53.747) 73.659,53.111 ccw(c74.052,53.743) 73.755,53.061 ccw(c74.048,53.733) 73.828,53.033 ccw(c74.046,53.728) 73.903,53.014 ccw(c74.045,53.72) 74.045,53 99.955,53 ccw(c99.956,53.732) 100.552,53.306 ccw(c99.951,53.735) 100.59,53.365 ccw(c99.978,53.727) 100.658,53.52 ccw(c99.975,53.728)
  region: 89.736,61.356 87.43,69.205 85.23,69.208 87.891,63.174 84.255,65.176 86.288,57.691 85.309,58.3 87.243,55.507 87.774,58.819 87.085,57.812 86.363,63.095
Board:
  the board outline again, w0.2
Top Assembly:
  lines w0.2: 25.5,63.5 25.5,66.5 36.5,66.5 36.5,63.5 25.5,63.5 ; 40.5,83 40.5,94 43.5,94 43.5,83 40.5,83

## Text inside footprints (layer, text, board x,y; h text height)
J1: Top Assembly "L" at 20.2,94.719 h4; Top Assembly "N" at 19.99,74.719 h4
J2: Top Assembly "N" at 138.39,43.619 h4; Top Assembly "L" at 138.6,63.619 h4
J3: Top Overlay "1" at 71.264,9.457 h2; Bottom Overlay "1" at 71.811,8.657 h2
J4: Top Overlay "1" at 117.764,9.457 h2; Bottom Overlay "1" at 117.336,8.657 h2
J5: Top Overlay "1" at 9.719,56.503 h2; Bottom Overlay "1" at 9.536,54.977 h2
J6: Top Overlay "1" at 136.664,9.457 h2; Bottom Overlay "1" at 138.526,8.657 h2
J7: Top Overlay "1" at 9.564,29.057 h2; Bottom Overlay "1" at 9.536,27.977 h2
J8: Top Overlay "1" at 11.264,9.857 h2; Bottom Overlay "1" at 12.736,8.857 h2
M1: Top Assembly "000000" at 62.37,11.71 h2.5